# KiCad board AmigaPCI Mainboard.kicad_pcb (continued)
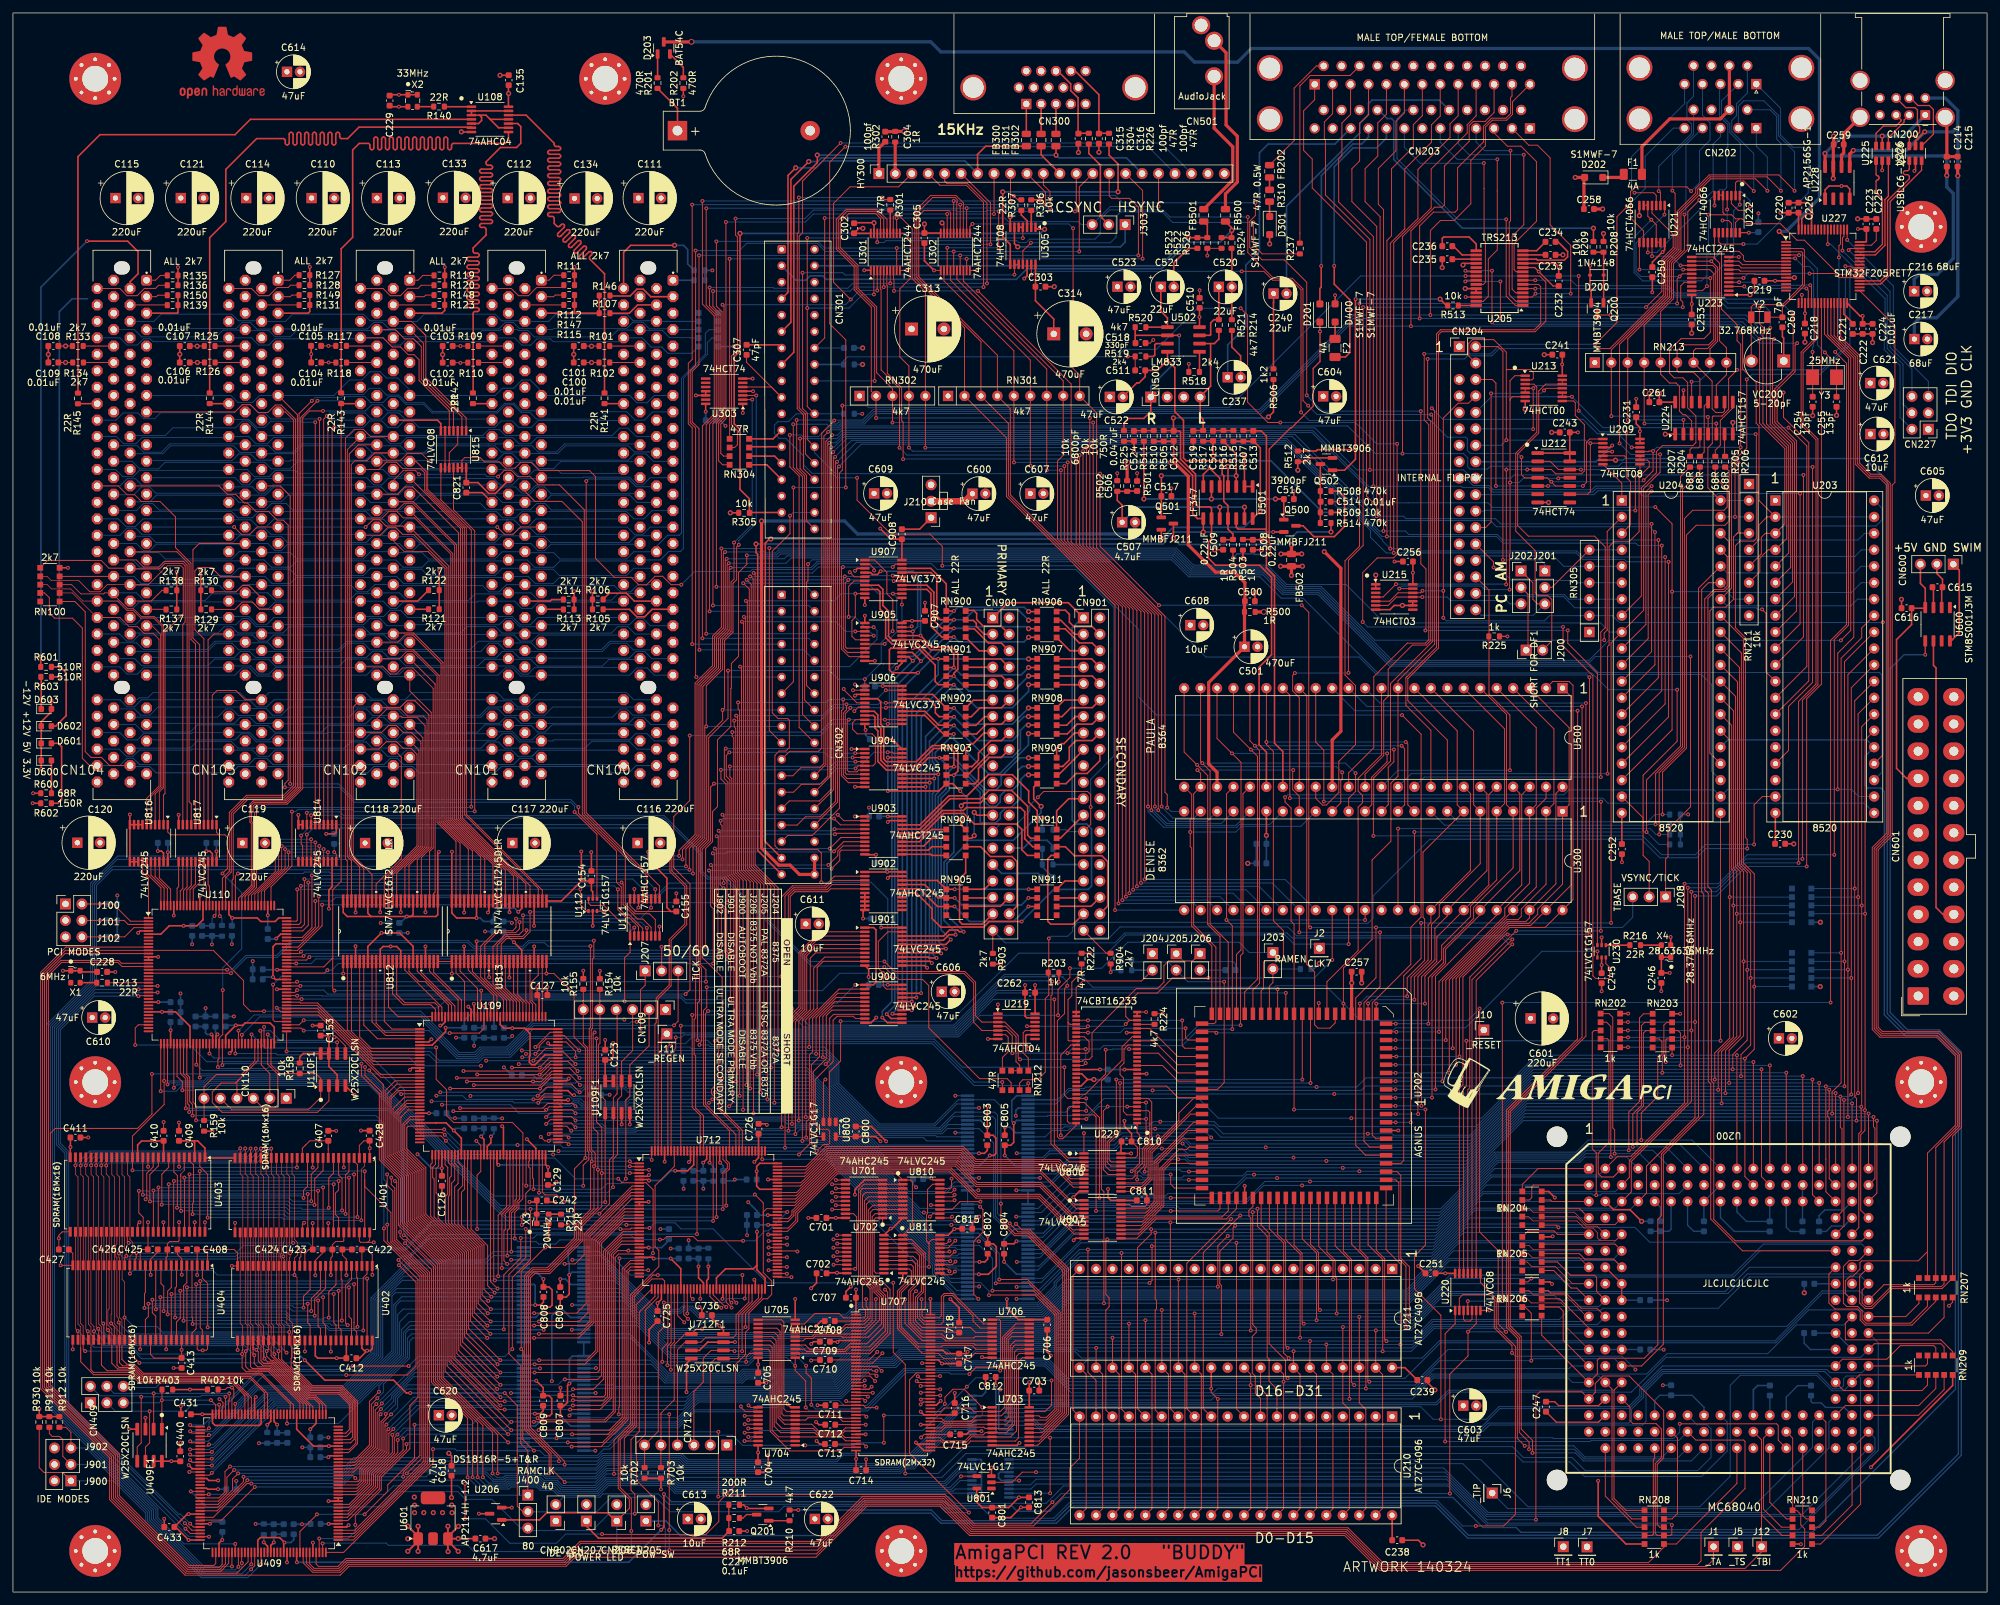
[diagram p0: board, top side]
## Routing (per net, layer and track width the routed paths; a pad name or vN(x,y) marks a point on that pad's centre or on a via; arc(x,y) is an arc through that point) (continued)
/Serial/CD-IN: length 36.3
  Top w0.15: v2(227.1,220.65) 227.13,220.62 227.13,216.73 227.14,216.72 227.14,208.77 227.34,208.56 227.34,202.24 227.02,201.92 U205.23
  Bottom w0.15: v2(227.1,220.65) 227.08,220.62 217.3,220.62 214.83,223.09 CN203.33
/Serial/CTS: length 83.8
  Top w0.15: v2(271.32,195.19) 271.32,180.31 274.47,177.17 274.47,158.2 U203.6 ; v2(235.06,201.27) 235.06,201.27 U205.5
  Bottom w0.15: v2(235.06,201.27) 235.06,201.27 255.5,201.27 256.5,200.27 263.51,200.27 264.78,199.01 270.02,199.01 271.32,197.71 v2(271.32,195.19)
/Serial/CTS-IN: length 36.6
  Top w0.15: v2(233.27,221.95) 233.27,211.15 231.47,209.35 231.47,201.17 232.02,200.62 U205.4
  Bottom w0.15: v2(233.27,221.95) 224.84,221.95 223.14,223.64 CN203.30
/Serial/DSR: length 90.3
  Top w0.15: v2(224.3,199.97) 224.3,199.97 U205.26 ; U203.5 274.17,160.44 274.17,176.97 270.75,180.39 270.75,194.77 269.65,195.87 v2(269.65,198.28)
  Bottom w0.15: v2(269.65,198.28) 264.68,198.28 262.98,199.97 v2(224.3,199.97)
/Serial/DSR-IN: length 36
  Top w0.15: U205.27 227.02,199.32 227.79,200.09 227.79,205.85 229.18,207.24 229.18,216.35 229.18,216.36 229.18,221.23 v2(229.18,221.23)
  Bottom w0.15: v2(229.18,221.23) 222.99,221.23 220.37,223.85 CN203.31
/Serial/DTR: length 110.7
  Top w0.15: v2(275.48,192.85) 275.16,192.53 275.16,188.44 272.38,185.66 272.38,180.75 275.37,177.77 275.37,151.48 U203.9 ; U205.20 224.43,203.87 v2(224.26,204.04) ; v2(228.36,204.04) v2(228.36,196.07)
  Bottom w0.15: v2(228.36,196.07) 228.65,195.77 266.66,195.77 269.58,192.85 v2(275.48,192.85) ; v2(224.26,204.04) v2(228.36,204.04)
/Serial/DTR-OUT: length 45
  Top w0.15: U205.1 231.99,198.67 230.56,200.11 v2(230.56,211.97)
  Bottom w0.15: v2(230.56,211.97) 223.08,211.97 213.69,221.36 213.69,227.45 215.09,228.85 CN203.45
/Serial/PWRLED: length 392.6
  Top w0.2: v1(247.44,174.77) 247.41,174.8 U209.6 ; v2(121.25,12.67) R210.1
  Bottom w0.2: 285.91,175.03 248.85,175.03 248.63,174.81 247.48,174.81 v1(247.44,174.77) ; v2(121.25,12.67) 141.8,12.67 143.44,11.03 160.86,11.03 163.58,13.75 219.75,13.75 224.72,8.78 287.84,8.78 290.72,11.66 300.37,21.32 300.37,83.23 297.23,86.37 292.34,86.37 289.39,89.32 289.39,154.09
  Bottom w0.25: 285.91,175.03 289.39,171.55 289.39,154.09
/Serial/RI: length 46.3
  Top w0.25: R209.1 v1(244.02,210.6)
  Bottom w0.25: v1(244.02,210.6) 223.8,210.6 213.19,221.21 213.19,227.21 212.86,227.54 212.17,227.54 210.86,228.85
/Serial/RTS: length 94.1
  Top w0.15: U205.7 235.05,202.57 v2(235.05,202.57) ; v2(274.86,197.28) 274.86,188.63 272.03,185.81 272.03,180.61 275.07,177.57 275.07,153.72 U203.8
  Bottom w0.15: v2(274.86,197.28) 272.49,199.66 264.55,199.66 263.62,200.59 256.66,200.59 255.52,201.72 241.42,201.72 240.57,202.57 v2(235.05,202.57)
/Serial/RTS-OUT: length 32.8
  Top w0.15: U205.2 232.04,199.32 231.02,200.34 231.02,211.53 231.22,211.73 231.22,218.71 231.22,218.71 v2(231.22,222.58)
  Bottom w0.15: CN203.29 225.91,223.89 227.23,222.58 v2(231.22,222.58)
/Serial/SERAUD: length 47.9
  Bottom w0.25: C240.2 196.64,214 207.96,225.32 207.96,226.78 209.3,228.12 209.3,229.84 209.85,230.39 220.22,230.39 CN203.43
/Serial/SRxD: length 37.7
  Top w0.15: CN203.27 234.05,223.42 235.38,223.42 237.34,221.46 237.34,211.12 240.52,207.94 v2(240.52,200.5) ; U205.3 234.55,199.97 v2(235.08,200.5)
  Bottom w0.15: v2(235.08,200.5) v2(240.52,200.5)
/Serial/STxD: length 28
  Top w0.15: U205.9 232.1,203.87 231.77,204.2 231.77,208.21 235.23,211.66 235.23,220.88 232.84,223.27 230.74,223.27 228.67,225.34
/Video/_COMPSYNC: length 85.8
  Top w0.15: v2(176.88,213.95) HY300.18 ; CN301.14 125.33,193.66 v2(125.33,212.16) ; v2(136.44,212.16) 136.44,209.82
  Bottom w0.15: v2(176.88,213.95) 176.87,213.94 169.42,213.94 J303.3 164.95,211.16 164.49,211.62 153.71,211.62 153.15,212.17 136.44,212.17 136.44,212.17 125.34,212.17 v2(125.33,212.16) ; 123.76,192.1 128.28,192.1
/Video/B0: length 107.6
  Top w0.15: HY300.16 174.42,216.42 v2(174.42,205.87) ; U302.9 147.25,205.87 v2(147.25,205.87) ; RN304.5 110.66,205.87 v2(110.65,205.87)
  Bottom w0.15: v2(110.65,205.87) 110.65,205.87 v2(147.25,205.87) v2(174.42,205.87)
/Video/B1: length 166.5
  Top w0.15: v2(173.77,206.4) 173.77,213.83 172.39,215.21 169.63,215.21 169.26,215.58 HY300.15 ; v2(105.99,145.49) 105.93,145.55 105.93,179.65 104.88,180.7 104.88,188.48 105.93,189.53 105.93,206.4 v2(105.93,206.4) ; v2(146.25,206.4) 146.25,204.09
  Bottom w0.15: v2(105.93,206.4) v2(146.25,206.4) 146.31,206.4 173.77,206.4 v2(173.77,206.4) ; v2(105.99,145.49) 122.1,145.49 CN302.10
/Video/B2: length 155.8
  Top w0.15: v2(145.25,207.01) 145.25,207.01 U302.5 ; HY300.14 164.64,216.96 v2(164.64,207.01) ; v2(105.51,141.29) 105.4,141.4 105.4,179.75 104.57,180.58 104.57,188.61 105.4,189.43 v2(105.4,207.15)
  Bottom w0.15: v2(164.64,207.01) v2(145.25,207.01) 125.41,207.01 124.15,208.27 113.3,208.27 112.18,207.15 v2(105.4,207.15) ; CN302.11 v2(105.51,141.29)
/Video/B3: length 113.3
  Top w0.15: v2(144.25,207.58) 144.25,207.58 U302.3 ; HY300.13 164.18,213.41 v2(163.97,213.2) ; RN304.6 111.41,176.73 111.85,177.17 111.85,179.34 110.96,180.24 110.96,190.89 111.85,191.79 111.85,209.24 111.57,209.52 v2(111.57,212.08) ; v2(152.2,207.58) 152.2,207.98 152.2,207.99 v2(152.2,213.2)
  Bottom w0.15: v2(144.25,207.58) v2(152.2,207.58) ; v2(111.57,212.08) 122.27,212.08 123.58,213.39 145.5,213.39 145.73,213.16 150.3,213.16 150.45,213.32 152.08,213.32 v2(152.2,213.2) v2(163.97,213.2)
/Video/BLU0: length 115.8
  Top w0.15: U302.11 147.75,210.87 v2(148.14,211.26) ; v2(178.22,121.14) 178.22,123.16 177.87,123.5 177.87,150.67 167.32,161.22 167.32,182.08 RN301.9 164.7,187.91 163.68,188.93 v2(163.68,210.59)
  Bottom w0.15: v2(148.14,211.26) 163.01,211.26 v2(163.68,210.59) ; U300.24 178.81,120.54 v2(178.22,121.14)
/Video/BLU1: length 145.1
  Top w0.15: 146.74,209.82 146.74,213.91 146.77,213.95 146.77,214.48 145.62,215.63 141.67,215.63 139.25,213.22 139.25,202.88 146.92,195.21 RN301.2 153.39,178.23 153.39,169.18 170.16,152.42 v2(170.16,105.31)
  Bottom w0.15: v2(170.16,105.31) 170.17,105.3 U300.25
/Video/BLU2: length 145.2
  Top w0.15: 145.73,209.83 145.73,214.54 145.77,214.59 145.77,215.06 145.5,215.33 141.99,215.33 139.56,212.9 139.56,203 149.46,193.1 RN301.3 153.68,180.48 153.69,180.48 153.69,169.31 170.7,152.3 v2(170.7,106.33)
  Bottom w0.15: U300.26 182.35,106.33 174.85,106.33 174.85,106.32 170.7,106.32 v2(170.7,106.33)
/Video/BLU3: length 142.5
  Top w0.15: v2(171.29,106.85) 171.29,152.14 153.99,169.43 153.99,182.71 RN301.4 152,190.98 139.86,203.12 139.86,212.54 140.63,213.32 144.48,213.32 144.77,213.02 144.77,209.84
  Bottom w0.15: v2(171.29,106.85) 171.3,106.85 184.36,106.85 U300.27
/Video/BLUE: length 87.3
  Top w0.25: CN301.15 120.57,191.44 120.57,217.1 124.19,220.72 v1(124.19,221.89) ; v1(161.05,221.89) 161.05,223.25
  Bottom w0.25: v1(124.19,221.89) v1(161.05,221.89) 161.48,221.46 171.92,221.46 HY300.17
/Video/BUR: length 139.1
  Top w0.15: v2(164.69,175.57) 164.69,161.7 175.26,151.14 v2(175.26,121.3) ; 133.93,204.06 133.93,201.25 134.04,201.14 134.04,188.72 136.88,185.88 v2(136.88,176.72)
  Bottom w0.15: v2(164.69,175.57) 138.02,175.57 v2(136.88,176.72) ; U300.18 194.06,118.54 189.41,118.54 188.96,118.09 177.66,118.09 175.26,120.5 v2(175.26,121.3)
/Video/BURST: length 46.7
  Top w0.15: v2(133.05,187.02) 133.05,198.34 130.18,201.21 130.18,204.76 127.43,207.51 127.43,211.85 128.77,213.2 133.28,213.2 134.45,212.04 U301.16
  Bottom w0.15: CN301.18 v2(133.05,187.02)
/Video/C4: length 15.5
  Top w0.15: C307.1 113.27,189.9 CN301.19 117.09,186.08 U303.5
/Video/COMPVID: length 147.9
  Top w0.15: CN302.13 120.5,140.57 v2(120.5,170.57) ; v2(128.58,170.57) 128.58,176.11 128.59,176.11 128.59,193.35 126.1,195.84 126.1,220.77 v2(128.53,223.2)
  Bottom w0.15: v2(128.53,223.2) 175.26,223.2 HY300.19 ; v2(120.5,170.57) v2(128.58,170.57)
/Video/G0: length 146.8
  Top w0.15: v2(147.26,213.69) 147.25,213.68 U302.12 ; v2(160.12,213.72) 160.12,216.26 159.1,217.28 HY300.11 ; v2(107.05,213.67) 107.03,213.65 107.03,198.73 108.58,197.19 108.58,181.78 107.03,180.24 107.03,147.98 v2(107.04,147.98)
  Bottom w0.15: v2(107.04,147.98) 122.83,147.98 CN302.6 ; v2(160.12,213.72) 159.31,213.72 147.3,213.72 v2(147.26,213.69) 107.07,213.69 v2(107.05,213.67)
/Video/G1: length 147.1
  Top w0.15: v2(104.88,146.37) 104.88,146.37 104.88,179.79 104.28,180.39 104.28,189.73 104.88,190.33 104.88,214.23 v2(104.87,214.24) ; v2(146.25,214.24) 146.25,214.24 U302.14 ; HY300.10 159.41,216.19 v2(159.41,214.27)
  Bottom w0.15: v2(104.87,214.24) v2(146.25,214.24) 146.26,214.25 159.39,214.25 v2(159.41,214.27) ; CN302.7 v2(104.88,146.37)
/Video/G2: length 143.5
  Top w0.15: v2(106.45,214.8) 106.45,198.89 108.28,197.06 108.28,181.91 106.45,180.08 v2(106.45,147.27) ; v2(154.02,214.81) HY300.9 ; v2(145.25,214.81) 145.25,214.81 U302.16
  Bottom w0.15: CN302.8 122.86,147.27 v2(106.45,147.27) ; v2(154.02,214.81) v2(145.25,214.81) 106.46,214.81 v2(106.45,214.8)
/Video/G3: length 88.7
  Top w0.15: v2(144.25,212.79) 144.25,212.79 U302.18 ; HY300.8 151.48,212.8 v2(151.47,212.79) ; v2(110.08,211.56) 110.08,181.16 109.29,180.37 109.29,175.82 109.7,175.41 RN304.7
  Bottom w0.15: v2(151.47,212.79) v2(144.25,212.79) 123.59,212.79 122.36,211.56 v2(110.08,211.56)
/Video/GREEN: length 73.4
  Top w0.25: v1(122.87,220.89) 120.12,218.14 120.12,196.07 CN301.11 ; FB301.2 158.75,221.93 HY300.12
  Bottom w0.25: v1(122.87,220.89) 124.23,220.89 124.78,221.44 159.24,221.44 HY300.12
/Video/GRN0: length 125.3
  Top w0.15: U302.8 146.75,202.44 162.16,187.03 RN301.8 162.16,175.53 161.28,174.65 161.28,162.57 171.84,152.01 v2(171.84,107.39)
  Bottom w0.15: U300.28 186.37,107.38 171.85,107.38 v2(171.84,107.39)
/Video/GRN1: length 128.2
  Top w0.15: v2(161.81,173.23) 161.81,162.47 172.38,151.89 v2(172.38,107.91) ; U302.6 145.75,202.72 159.62,188.85 RN301.7 159.62,173.24 v2(159.63,173.23)
  Bottom w0.15: v2(159.63,173.23) 159.63,173.23 v2(161.81,173.23) ; U300.29 188.38,107.91 172.38,107.91 v2(172.38,107.91)
/Video/GRN2: length 132.2
  Top w0.15: v2(162.33,173.86) 162.33,162.37 172.95,151.75 v2(172.95,108.44) ; U302.4 144.75,202.58 157.08,190.25 RN301.6 157.08,173.95 v2(157.11,173.92)
  Bottom w0.15: v2(162.33,173.86) 157.16,173.86 v2(157.11,173.92) ; U300.30 190.39,108.44 v2(172.95,108.44)
/Video/GRN3: length 136.4
  Top w0.15: v2(154.56,174.44) 154.54,174.46 RN301.5 154.54,191.68 143.75,202.47 U302.2 ; v2(173.54,108.97) 173.54,151.58 162.86,162.27 v2(162.86,174.44)
  Bottom w0.15: v2(173.54,108.97) 192.4,108.97 U300.31 ; v2(162.86,174.44) v2(154.56,174.44)
/Video/PIXELSW: length 59
  Top w0.15: v2(121.34,215.33) 121.34,210.03 121.09,209.78 121.09,182.74 122.05,181.77 122.05,173.49 CN301.30 ; R301.1 134.53,215.04 v2(134.24,215.33)
  Bottom w0.15: v2(134.24,215.33) v2(121.34,215.33)
/Video/PSW: length 154.6
  Top w0.15: v2(137.44,174.94) 137.44,180.65 137.21,180.88 137.21,185.98 137.2,185.98 135,188.18 135,201.7 134.93,201.78 134.93,204.06 ; v2(164.17,174.97) 164.17,161.8 174.73,151.24 174.73,110.6 174.73,110.6 v2(174.73,110.02)
  Bottom w0.15: v2(164.17,174.97) 137.47,174.97 v2(137.44,174.94) ; v2(174.73,110.02) 196.44,110.02 U300.33
/Video/R0: length 129
  Top w0.15: U301.9 136.45,207.53 v2(136.45,207.53) ; v2(150.93,208.1) 150.93,214.51 HY300.6 ; v2(108.61,208.56) 108.61,198.57 109.48,197.7 109.48,181.41 108.61,180.54 v2(108.61,155.23)
  Bottom w0.15: v2(108.61,208.56) 108.62,208.57 124.28,208.57 125.31,207.53 v2(136.45,207.53) 141.85,207.53 142.42,208.1 v2(150.93,208.1) ; CN302.2 122.54,155.21 108.63,155.21 v2(108.61,155.23)
/Video/R1: length 128.9
  Top w0.15: v2(107.56,201.44) 107.56,201.44 107.56,198.64 108.88,197.31 108.88,181.66 107.56,180.33 107.56,151.44 v2(107.56,151.44) ; v2(150.39,202.08) 150.39,214.47 147.33,217.53 144.22,217.53 143.86,217.89 HY300.5 ; U301.7 135.45,202.08 v2(135.45,202.08)
  Bottom w0.15: CN302.3 107.57,151.45 v2(107.56,151.44) ; v2(107.56,201.44) 117.36,201.44 117.47,201.33 128.9,201.33 129.65,202.08 v2(135.45,202.08) v2(150.39,202.08)
/Video/R2: length 133.6
  Top w0.15: HY300.4 143.13,217.23 147.21,217.23 149.85,214.59 v2(149.85,201.51) ; v2(134.45,201.51) 134.45,201.51 U301.5 ; v2(108.09,200.89) 108.08,200.88 108.08,198.54 109.18,197.44 109.18,181.53 108.08,180.43 v2(108.08,152.35)
  Bottom w0.15: v2(108.08,152.35) 108.1,152.33 122.88,152.33 CN302.4 ; v2(149.85,201.51) v2(134.45,201.51) 129.89,201.51 129.27,200.89 v2(108.09,200.89)
/Video/R3: length 84.3
  Top w0.15: v2(129.35,199.59) 126.7,202.24 126.7,214.44 129.25,216.99 136.73,216.99 HY300.3 ; v2(133.45,200.99) 133.45,200.99 U301.3 ; RN304.8 109.57,174.07 108.95,174.69 108.95,180.45 109.78,181.28 109.78,198.56 v2(109.56,198.78)
  Bottom w0.15: v2(109.56,198.78) 109.57,198.79 128.55,198.79 v2(129.35,199.59) 130.75,200.99 v2(133.45,200.99)
/Video/RED: length 61.5
  Top w0.25: FB300.2 150.2,223.27 148.92,221.99 148.94,221.97 HY300.7 ; v1(120.85,219.93) 119.67,218.75 119.67,200.7 CN301.7
  Bottom w0.25: HY300.7 146.99,220.99 125.03,220.99 123.97,219.93 v1(120.85,219.93)
/Video/RED0: length 139.5
  Top w0.15: U301.11 137.61,209.81 138.55,208.88 138.55,202.84 136.93,201.22 136.93,190.73 138.34,189.32 RN302.4 v2(138.34,176.72) ; v2(175.78,120.72) 175.78,151.04 165.22,161.6 v2(165.22,176.17)
  Bottom w0.15: v2(138.34,176.72) 138.88,176.17 v2(165.22,176.17) ; v2(175.78,120.72) 175.78,120.61 178,118.39 188.84,118.39 U300.20
/Video/RED1: length 140.2
  Top w0.15: 135.92,209.84 135.92,212.38 136.22,212.69 136.66,212.69 138.85,210.5 138.85,202.81 140.88,200.77 RN302.5 140.88,176.73 v2(140.87,176.72) ; v2(176.31,121.3) 176.31,150.97 165.74,161.53 v2(165.74,176.72)
  Bottom w0.15: v2(176.31,121.3) 176.31,120.51 178.12,118.69 186.6,118.69 U300.21 ; v2(165.74,176.72) v2(140.87,176.72)
/Video/RED2: length 152.9
  Top w0.15: v2(166.28,181.3) 166.26,181.28 166.26,161.43 176.83,150.87 v2(176.83,120.73) ; v2(133.27,181.29) 133.26,181.3 RN302.2 132.52,185.44 132.52,198.44 129.88,201.08 129.88,204.63 127.12,207.39 127.12,211.98 128.65,213.5 133.41,213.5 134.95,211.96 U301.15
  Bottom w0.15: v2(176.83,120.73) 178.56,118.99 184.36,118.99 U300.22 ; v2(166.28,181.3) 133.28,181.3 v2(133.27,181.29)
/Video/RED3: length 145.5
  Top w0.15: v2(166.79,180.59) 166.79,161.33 177.35,150.77 v2(177.35,121.31) ; v2(135.8,180.59) RN302.3 135.8,185.83 133.35,188.28 133.35,198.46 130.48,201.33 130.48,204.88 127.72,207.63 127.72,211.52 129.08,212.88 133.18,212.88 133.95,212.11 U301.17
  Bottom w0.15: v2(177.35,121.31) 177.35,121.26 179.1,119.52 182.35,119.52 U300.23 ; v2(166.79,180.59) v2(135.8,180.59)
/Video/SYNC: length 109.2
  Top w0.15: CN301.28 122.35,175.73 122.35,181.9 121.39,182.86 121.39,209.37 121.92,209.9 121.92,217.88 125.4,221.36 125.4,221.37 v2(127.79,223.76)
  Bottom w0.15: v2(127.79,223.76) 177.24,223.76 HY300.20
_AS: length 113.2
  Top w0.15: v2(108.91,86.88) 108.91,79.23 109.49,78.66 109.49,74.44 112.62,71.31 U712.116 ; U202.24 v2(195.26,93.1)
  Bottom w0.15: v2(195.26,93.1) 158.14,93.1 157.93,92.89 151.88,92.89 145.62,86.63 109.16,86.63 v2(108.91,86.88)
_AWE: length 54.6
  Top w0.15: U202.21 199.07,79.14 v2(199.08,79.13) ; v2(170.36,79.14) 170.36,70.92 168.95,69.51 168.95,66.35 169.53,65.77 U806.17
  Bottom w0.15: v2(199.08,79.13) 170.37,79.13 v2(170.36,79.14)
_BB: length 169.2
  Top w0.15: RN210.7 279.26,8.74 283.96,13.44 283.96,22.21
  Bottom w0.15: U808.18 157.82,25.75 158.77,24.8 226.97,24.8 227.96,25.79 251.6,25.79 252.14,26.33 252.14,31.1 254.81,33.77 278.62,33.77 279.88,32.51 279.88,32.5 280.99,31.39 282.19,31.39 282.65,31.85 282.65,32.94 283.07,33.36 284.94,33.36 285.27,33.02 285.27,23.53 283.96,22.21
_BEN: length 192.8
  Top w0.15: U409.120 36.31,4.67 34.55,2.91 26.7,2.91 15.22,14.39 15.22,20.86 4.57,31.51 4.57,95.56 8.1,99.09 U110.11 30.93,99.09 35.6,94.41 35.6,90.74 36.66,89.69 v2(38.77,89.69) ; v2(67.44,86.31) 72.01,86.31 72.73,87.03 U109.128
  Bottom w0.15: v2(67.44,86.31) 66.34,86.31 62.96,89.69 v2(38.77,89.69)
_BG: length 398
  Top w0.15: 31.81,116.93 32.73,116.93 33.11,116.55 33.11,111.73 v2(32.34,110.97) ; 31.81,116.93 24.34,116.93 23.9,117.37 U816.1 ; 31.81,116.93 31.43,117.31 U817.1 ; U712.37 96.24,44.41 96.24,25.6 94.39,23.75 v2(94.39,19.06) ; 31.81,84.65 31.81,82.36 31.64,82.19 v2(31.64,81.07) ; v2(74.05,18.32) 74.05,24.67 65.83,32.89 65.83,50.77 59.85,56.75 59.85,63.89 56.87,66.87 56.87,77.24 54.36,79.76 v2(54.36,81.07) ; v2(257.35,25.98) 272.31,25.98 272.56,25.73 272.56,23.45 273.8,22.21 ; v2(32.39,92.95) 32.39,86.11 31.84,85.56 U110.55 ; v2(160.14,23.83) v2(160.14,15.26)
  Bottom w0.15: v2(32.39,92.95) 32.39,96.4 35.32,99.33 35.32,107.99 v2(32.34,110.97) ; v2(160.14,15.26) 160.13,15.26 U809.19 ; v2(74.05,18.32) 74.66,17.71 75.71,17.71 76.02,18.02 81.77,18.02 82.3,17.5 90.04,17.5 91.61,19.06 v2(94.39,19.06) 94.62,19.29 102.4,19.29 103.36,18.33 137.04,18.33 137.73,19.02 139.14,19.02 144.57,24.45 U808.1 148.68,23.83 160.14,23.83 v2(160.14,23.83) 237.73,23.83 237.85,23.72 256.38,23.72 257.35,24.69 v2(257.35,25.98) ; v2(31.64,81.07) 31.87,80.84 39.25,80.84 39.48,81.07 v2(54.36,81.07)
_BHS: length 256.5
  Top w0.15: U301.18 133.45,208.45 v2(133.45,208.45) ; v2(190.66,212.33) 190.66,206.85 194.64,202.87 197.54,202.87 199.18,201.23 199.18,184 v2(199.98,183.2) ; v2(268.83,115.44) 268.83,121.56 270.11,122.84 U203.19 ; v2(210.05,116.77) 210.05,120.71 210.1,120.76 210.1,125.71 212.69,128.31 212.69,140.28 219.2,146.79 219.2,181.61 v2(218.98,181.83)
  Bottom w0.15: v2(210.05,116.77) 251.63,116.77 254.53,113.87 259.77,113.87 261.34,115.44 v2(268.83,115.44) ; v2(133.45,208.45) 133.5,208.39 134.5,208.39 134.77,208.67 154.99,208.67 155.26,208.39 156.46,208.39 156.98,208.91 167.06,208.91 167.88,209.73 167.88,211.98 169.33,213.42 177.54,213.42 178.63,212.33 v2(190.66,212.33) ; v2(218.98,181.83) 201.35,181.83 v2(199.98,183.2)
_BR: length 143
  Top w0.15: v2(157.96,18.51) 155.84,18.51 154.27,16.95 U801.2
  Bottom w0.15: 286.5,22.21 276.28,11.99 227.64,11.99 221.11,18.51 v2(157.96,18.51)
_BRST: length 239.4
  Top w0.15: v2(189.72,203.94) 193.15,203.94 194.52,202.57 197.41,202.57 198.88,201.1 v2(198.88,182.17) ; v2(157.23,203.41) U305.13 ; v2(232.91,175.26) 232.91,172.54 233.38,172.06 U212.4 236.88,172.06 237.5,171.45 v2(237.52,171.45) 237.52,171.42 238.15,170.79 U212.10 ; U209.11 252.52,176.1 252.62,176.2 v2(253.23,176.2) 253.23,173.13 v2(251.78,171.68) ; U227.7 267.47,205.47 267.19,205.75 267.19,206.34 266.5,207.03 263.98,207.03 263.8,206.85 263.8,198.1 266.2,195.7 266.2,193.23 266.76,192.67 v2(266.76,176.77) 266.76,176.52 265.35,175.11 265.35,155.02 U204.34
  Bottom w0.15: v2(157.23,203.41) 157.76,203.94 v2(189.72,203.94) ; v2(251.78,171.68) 251.55,171.45 v2(237.52,171.45) ; U203.34 284.81,153.32 283.78,152.29 264.68,152.29 U204.34 ; v2(198.88,182.17) 200.14,180.91 218.89,180.91 221.47,178.33 224.32,178.33 224.56,178.09 224.56,176.26 225.01,175.81 232.36,175.81 v2(232.91,175.26) ; v2(253.23,176.2) 253.8,176.77 v2(266.76,176.77)
_BTNRST: length 509.6
  Top w0.15: U110.65 v2(36.84,86.11) ; U409.65 34.31,29.03 v2(34.34,29.06) ; v2(99.58,48.95) 98.84,48.95 95.64,45.75 95.64,25.85 93.46,23.67 93.46,16.02 95.18,14.3 95.18,12.91 CN206.1 ; v2(59.59,50.48) 62.23,47.83 62.23,34.87 60.87,33.51 v2(51.45,33.51) ; v2(93.22,7) 124.32,7 131.5,14.18 143.53,14.18 148.07,9.63 205.99,9.63 211.38,4.25 260.08,4.25 260.64,4.8 260.64,9.19 267.43,15.98 267.43,23.26 267.22,23.47 259.84,23.47 U200.151 ; v2(65.35,84.09) 65.35,79.16 66.95,77.56 66.95,73.58 68.03,72.5 77.12,72.5 78.73,70.89 U109.65 78.73,63.02 78.72,63.01 78.72,60.73 78.12,60.13 78.12,59.28 77.47,58.63 v2(77.47,54.6) ; v2(112.62,48.95) 112.62,48.94 U712.65 ; v2(221.13,23.25) 221.13,39.9 222.68,41.44 U220.1
  Top w0.25: 93.08,10.95 91.79,12.24 82.42,12.24 81.32,11.14 U206.1
  Bottom w0.15: v2(51.45,33.51) 38.78,33.51 v2(34.34,29.06) ; v2(112.62,48.95) v2(99.58,48.95) 95.34,48.95 89.91,54.38 84.43,54.38 83.79,53.73 81.17,53.73 80.79,54.11 77.97,54.11 v2(77.47,54.6) 64.25,54.6 61.22,51.57 60.68,51.57 v2(59.59,50.48) ; 93.23,10.94 93.23,7 v2(93.22,7) ; v2(36.84,86.11) 38.95,84 65.26,84 v2(65.35,84.09) ; v2(221.13,23.25) 243.55,23.25 243.72,23.42 257.22,23.42 U200.151
_BUSGRANT0: length 145.9
  Top w0.15: v2(47.01,183.95) 44.43,181.36 44.43,124.12 42.24,121.93 37.21,121.93 36.84,121.55 36.84,119.01 37.06,118.79 37.06,109.02 35.34,107.3 U110.119
  Bottom w0.13: CN100.A17 98.76,182.23 97.5,180.97 96.06,180.97 94.77,182.26 91.72,182.26 90.59,181.13 80.82,181.13 79.79,182.16 78.43,182.16 77.25,183.34 76.05,183.34 74.78,182.07 64.72,182.07 63.37,183.42 60.65,183.42 59.46,184.61 58.07,184.61 57.13,183.67 55.26,183.67 54.32,184.61 51.37,184.61 50.71,183.95 v2(47.01,183.95)
_BUSGRANT1: length 124.3
  Top w0.15: U110.120 34.84,107.15 36.81,109.12 36.81,118.68 36.59,118.91 36.59,121.66 37.1,122.18 42.13,122.18 44.18,124.22 44.18,181.97 v2(46.14,183.94)
  Bottom w0.13: v2(46.14,183.94) 46.69,184.48 50.74,184.48 51.17,184.92 54.08,184.92 55.04,185.88 56.64,185.88 57.68,184.84 59.56,184.84 60.75,183.65 63.47,183.65 64.82,182.3 74.68,182.3 75.95,183.57 77.35,183.57 78.52,182.4 81.42,182.4
_BUSGRANT2: length 99.9
  Top w0.15: v2(47.87,182.38) 45.79,182.38 44.74,181.33 44.74,124.08 42.34,121.68 37.39,121.68 37.09,121.37 37.09,120.53 37.31,120.3 37.31,108.91 35.84,107.44 U110.118
  Bottom w0.13: CN102.A17 59.91,182.23 59.75,182.4 57.88,182.4 56.94,183.34 55.38,183.34 54.42,182.38 v2(47.87,182.38)
_BUSGRANT3: length 85.8
  Top w0.15: CN103.A17 42.06,182.23 43.32,180.96 43.32,124.57 41.78,123.03 36.04,123.03 33.41,120.4 33.41,111.29 32.34,110.22 U110.125
_BUSGRANT4: length 108.3
  Top w0.15: U110.124 32.84,110.3 33.71,111.17 33.71,120.27 36.17,122.73 41.91,122.73 43.62,124.45 43.62,181.09 41.41,183.3 40.5,183.3 39.34,182.14 37.87,182.14 36.66,183.35 35.4,183.35 34.29,182.23 CN104.A17
_BUSREQ0: length 17.3
  Top w0.13: U110.112 38.84,108.31 42.54,112.01 v2(42.54,114.24) ; v2(48.63,114.24) 48.62,114.23 U814.18
  Bottom w0.13: v2(42.54,114.24) v2(48.63,114.24)
_BUSREQ1: length 18.9
  Top w0.13: v2(41.49,115.19) 41.49,111.61 37.84,107.96 U110.114 ; U814.16 47.32,115.17
  Bottom w0.13: 47.32,115.19 41.49,115.19 v2(41.49,115.19)
  vias: v2(47.31,115.19)
_BUSREQ2: length 18.1
  Top w0.13: U814.17 47.97,114.71 v2(47.97,114.72) ; U110.113 38.34,108.13 42.02,111.81 v2(42.02,114.72)
  Bottom w0.13: v2(47.97,114.72) v2(42.02,114.72)
_BUSREQ3: length 20.8
  Top w0.13: v2(40.5,116.24) 40.5,111.27 36.84,107.61 U110.116 ; v2(46.03,116.24) 46.03,116.23 U814.14
  Bottom w0.13: v2(46.03,116.24) v2(40.5,116.24)
_BUSREQ4: length 19.9
  Top w0.13: U814.15 46.68,115.75 v2(46.68,115.76) ; U110.115 37.34,107.78 41.02,111.46 v2(41.02,115.76)
  Bottom w0.13: v2(41.02,115.76) v2(46.68,115.76)
_CASL: length 23.2
  Top w0.15: U229.55 165.73,73.05 v2(165.73,73.05) ; v2(172.03,74.96) 172.03,74.96 U229.5 ; U806.15 169.11,64.47 168.35,65.23 168.35,74.3 v2(169.01,74.96)
  Bottom w0.15: v2(165.73,73.05) 167.64,74.96 v2(169.01,74.96) v2(172.03,74.96)
_CASU: length 17.2
  Top w0.15: v2(174.95,75.59) 173.56,75.59 ; U806.14 172.81,63.82 173.25,64.26 173.25,65.09 174.37,66.21 174.37,68.46 174.95,69.04 v2(174.95,73.05) 174.95,73.05 U229.2
  Bottom w0.15: v2(174.95,73.05) v2(174.95,75.59)
_CBE0: length 113.1
  Top w0.15: U817.2 30.78,138.49 31.5,139.21 34.42,139.21 35.84,137.78 CN103.A52
  Bottom w0.13: CN101.A52 80.13,137.78 81.24,138.89 94.74,138.89 95.85,137.78 CN100.A52 ; CN103.A52 39.51,138.89 54.42,138.89 55.43,137.88 58.63,137.88 ; 38.31,137.88 36.04,137.88 35.03,138.89 21.63,138.89 20.82,138.08 19.47,138.08 19.17,137.78 CN104.A52 ; 78.96,137.87 75.8,137.87 74.78,138.89 61.64,138.89 60.53,137.78 CN102.A52
_CBE1: length 115.6
  Top w0.15: CN103.B44 31.05,147.94 30.13,147.02 U817.3
  Bottom w0.13: 33.47,147.79 37,147.79 37.95,146.84 39.31,146.84 40.25,147.78 53.48,147.78 ; 74.1,147.78 77.38,147.78 78.32,146.84 80.17,146.84 81.11,147.78 94.11,147.78 ; 73.87,147.85 60.86,147.85 59.85,146.84 58.27,146.84 57.3,147.81 53.78,147.81 ; 33.17,147.79 19.49,147.79 18.54,146.84 17.56,146.84 16.46,147.94 CN104.B44
_CBE2: length 135.7
  Top w0.15: CN103.B33 28.76,161.91 27.79,160.94 27.79,147.31 28.83,146.27 U817.5
  Bottom w0.13: 56.07,161.81 42.43,161.81 41.42,160.8 40.47,160.8 39.36,161.91 35.85,161.91 ; 56.18,161.91 59.68,161.91 60.8,160.79 61.74,160.79 62.75,161.8 76.39,161.8 ; 96.7,161.8 83.06,161.8 82.05,160.79 81.11,160.79 79.99,161.91 76.49,161.91 ; 35.76,161.81 22.12,161.81 21.11,160.8 20.16,160.8 19.05,161.91 CN104.B33
_CBE3: length 146.8
  Top w0.13: 16.26,170.8 17.62,169.44 18.8,169.44 19.84,168.4 22.72,168.4 23.12,168
  Top w0.15: 16.26,170.8 CN104.B26 ; 23.12,168 25.1,166.02 25.1,161.27 27.49,158.88 27.49,147.1 28.18,146.41 U817.6
  Bottom w0.13: CN104.B26 16.52,170.8 17.63,171.91 18.92,171.91 19.88,170.95 33.18,170.95 ; 73.8,170.95 60.74,170.95 59.46,169.66 57.84,169.66 56.84,170.66 53.77,170.66 ; 53.49,170.95 40.13,170.95 38.87,169.69 37.94,169.69 36.97,170.66 33.46,170.66 ; 74.09,170.65 77.61,170.65 78.58,169.68 79.5,169.68 80.76,170.94 80.99,170.94 81,170.95 82.17,170.95 82.18,170.94 94.12,170.94
_CCAS: length 33.4
  Top w0.15: v2(111.7,44.68) 111.12,45.26 U712.62 ; U707.18 132.54,34.35 132.75,34.14 v2(133.32,34.14)